# KiCad board M3DU_BoardV3_2.kicad_pcb (continued)
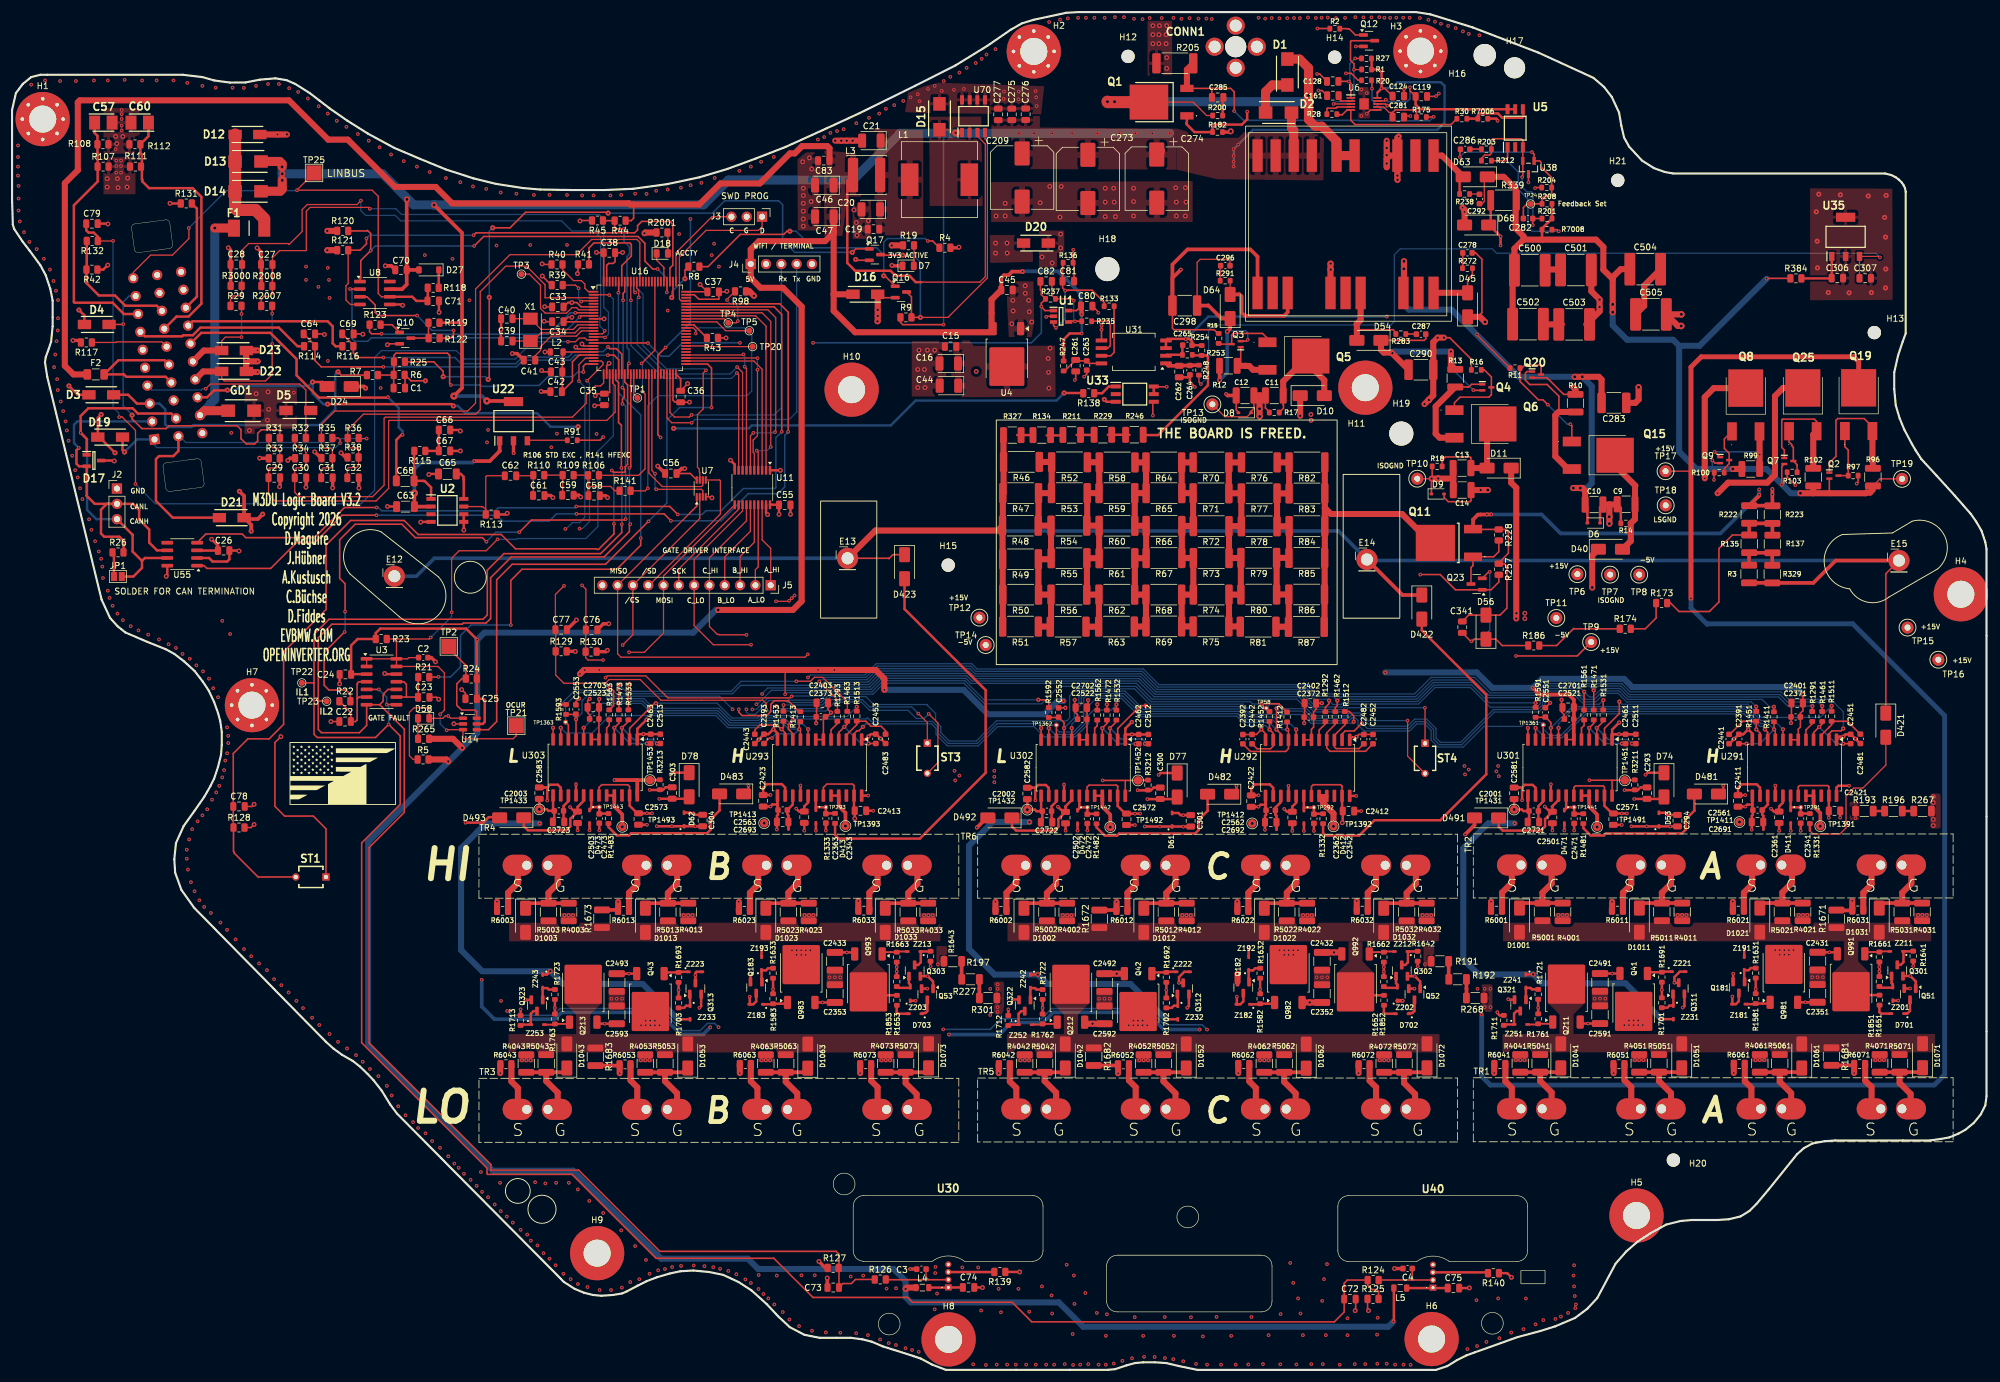
[diagram p0: board, top side]
## Nets (continued)
Net-(R70-Pad1): R70.1 R71.1 R72.1 R73.1 R74.1 R75.1 R76.2 R77.2 R78.2 R79.2 R80.2 R81.2
Net-(R76-Pad1): R76.1 R77.1 R78.1 R79.1 R80.1 R81.1 R82.2 R83.2 R84.2 R85.2 R86.2 R87.2
Net-(R134-Pad1): R134.1 R327.2
Net-(R134-Pad2): R134.2 R211.1
Net-(R135-Pad1): R135.1 R137.1 R173.2 R222.2 R223.2
Net-(R135-Pad2): R3.1 R135.2 R137.2 R329.1
Net-(R173-Pad1): R173.1 R174.2
Net-(R174-Pad1): R174.1 R186.2
Net-(R191-Pad2): R191.2 R192.1
Net-(R192-Pad2): R192.2 R268.1
Net-(R193-Pad2): R193.2 R196.1
Net-(R196-Pad2): R196.2 R267.1
Net-(R197-Pad2): R197.2 R227.1
Net-(R211-Pad2): R211.2 R229.2
Net-(R227-Pad2): R227.2 R301.1
Net-(R229-Pad1): R229.1 R246.2
Net-(R246-Pad1): R246.1 R253.2 R254.1
Net-(TR1-Source1): R6041.2 TR1.1
Net-(TR1-Source2): R6051.2 TR1.3
Net-(TR1-Source3): R6061.2 TR1.5
Net-(TR1-Source4): R6071.2 TR1.7
Net-(TR2-Source1): R6001.2 TR2.1
Net-(TR2-Source2): R6011.2 TR2.3
Net-(TR2-Source3): R6021.2 TR2.5
Net-(TR2-Source4): R6031.2 TR2.7
Net-(TR3-Source1): R6043.2 TR3.1
Net-(TR3-Source2): R6053.2 TR3.3
Net-(TR3-Source3): R6063.2 TR3.5
Net-(TR3-Source4): R6073.2 TR3.7
Net-(TR4-Source1): R6003.2 TR4.1
Net-(TR4-Source2): R6013.2 TR4.3
Net-(TR4-Source3): R6023.2 TR4.5
Net-(TR4-Source4): R6033.2 TR4.7
Net-(TR5-Source1): R6042.2 TR5.1
Net-(TR5-Source2): R6052.2 TR5.3
Net-(TR5-Source3): R6062.2 TR5.5
Net-(TR5-Source4): R6072.2 TR5.7
Net-(TR6-Source1): R6002.2 TR6.1
Net-(TR6-Source2): R6012.2 TR6.3
Net-(TR6-Source3): R6022.2 TR6.5
Net-(TR6-Source4): R6032.2 TR6.7
Net-(U1-+IN): C81.1 R133.1 R136.1 U1.3
Net-(U1--IN): C82.2 R235.1 R237.2 U1.4
Net-(U2-INPUT-(1)_1): C62.2 R113.2 U2.7
Net-(U2-INPUT-(1)_2): C65.2 U2.8
Net-(U2-OUTPUT(1)): C68.1 R115.2 U2.1
Net-(U2-SUPPLY_VOLTAGE): C63.2 U2.2 U22.1
Net-(U3A--): C22.1 R22.1 U3.4 U3.6
Net-(U3C-+): C23.1 R21.1 U3.9 U3.11
Net-(U5-ANODE_+): R212.1 R7008.2 U5.1
Net-(U5-GND): R30.2 R7006.1 U5.4
Net-(U5-V0): C119.1 U5.5 U5.6 U6.9
Net-(U6-COMP): R28.1 U6.4
Net-(U6-FB): R28.2 R30.1 U6.5
Net-(U6-GDRV): R20.2 U6.8
Net-(U6-ISNS): C281.1 R175.1 U6.7
Net-(U6-RC): C128.1 R27.2 U6.1
Net-(U6-SS): C161.1 U6.2
Net-(U8-~{WAKE}): R122.2 U8.3
Net-(U16-BOOT0): R41.2 U16.94
Net-(U16-NRST): C41.2 U16.14
Net-(U16-OSC_IN): C40.2 U16.12 X1.2
Net-(U16-OSC_OUT): C39.2 U16.13 X1.1
Net-(U16-PC5): R44.2 R45.1 U16.34
Net-(U16-PD10): TP20.1 U16.57
Net-(U22-IN): R91.1 U22.3
Net-(U30-OUT): C3.1 R126.2 U30.2
Net-(U30-TEST_): R139.2 U30.3
Net-(U30-VDD): C74.1 L4.2 U30.1
Net-(U31-IN): C265.1 R253.1 U31.2
Net-(U31-OUT+): R133.2 U31.7
Net-(U31-OUT-): R235.2 U31.6
Net-(U31-VDD1): C262.2 C264.1 R248.1 U31.1
Net-(U31-VDD2): C261.1 C263.2 R247.2 U31.8
Net-(U33-ANODE_+): R138.1 U33.1
Net-(U35-VI): C306.1 R384.2 U35.1
Net-(U38-CATHODE): C282.2 R201.1 R203.2 R212.2 U5.3 U38.2
Net-(U38-REF): C282.1 C286.1 R204.2 R208.1 TP24.1 U38.1
Net-(U40-OUT): C4.1 R124.2 U40.2
Net-(U40-TEST_): R140.2 U40.3
Net-(U40-VDD): C75.1 L5.2 U40.1
Net-(U70-OUTPUT): D15.1 L1.1 U70.2
Net-(U291-CK): R1291.1 U291.5
Net-(U291-GOFF): TP1391.1 U291.20 U291.21 Z191.2 Z201.1
Net-(U291-IN+): C2391.1 R1411.1 U291.9 U301.8
Net-(U291-IN-/DIAG2): C2551.1 R1591.1 U291.8 U301.9
Net-(U291-SDI): C2481.1 R1511.1 U291.3
Net-(U291-VREGISO): C2561.2 C2691.2 U291.15
Net-(U291-~{CS}): C2451.1 R1461.1 U291.4
Net-(U291-~{SD}): C2441.1 R1451.1 U291.11 U301.11
Net-(U292-CK): R1292.1 U292.5
Net-(U292-GOFF): TP1392.1 U292.20 U292.21 Z192.2 Z202.1
Net-(U292-IN+): C2392.1 R1412.1 U292.9 U302.8
Net-(U292-IN-/DIAG2): C2552.1 R1592.1 U292.8 U302.9
Net-(U292-SDI): C2482.1 R1512.1 U292.3
Net-(U292-VREGISO): C2562.2 C2692.2 U292.15
Net-(U292-~{CS}): C2452.1 R1462.1 U292.4
Net-(U292-~{SD}): C2442.1 R1452.1 U292.11 U302.11
Net-(U293-CK): R1293.1 U293.5
Net-(U293-GOFF): TP1393.1 U293.20 U293.21 Z193.2 Z203.1
Net-(U293-IN+): C2393.1 R1413.1 U293.9 U303.8
Net-(U293-IN-/DIAG2): C2553.1 R1593.1 U293.8 U303.9
Net-(U293-SDI): C2483.1 R1513.1 U293.3
Net-(U293-VREGISO): C2563.2 C2693.2 U293.15
Net-(U293-~{CS}): C2453.1 R1463.1 U293.4
Net-(U293-~{SD}): C2443.1 R1453.1 U293.11 U303.11
Net-(U301-CK): R1561.1 U301.5
Net-(U301-GOFF): TP1491.1 U301.20 U301.21 Z231.2 Z241.1
Net-(U301-SDI): C2511.1 R1531.1 U301.3
Net-(U301-SDO): R1511.2 U301.2
Net-(U301-VREGISO): C2001.2 C2721.2 U301.15
Net-(U301-~{CS}): C2461.1 R1471.1 U301.4
Net-(U302-CK): R1562.1 U302.5
Net-(U302-GOFF): TP1492.1 U302.20 U302.21 Z232.2 Z242.1
Net-(U302-SDI): C2512.1 R1532.1 U302.3
Net-(U302-SDO): R1512.2 U302.2
Net-(U302-VREGISO): C2002.2 C2722.2 U302.15
Net-(U302-~{CS}): C2462.1 R1472.1 U302.4
Net-(U303-CK): R1563.1 U303.5
Net-(U303-GOFF): TP1493.1 U303.20 U303.21 Z233.2 Z243.1
Net-(U303-SDI): C2513.1 R1533.1 U303.3
Net-(U303-SDO): R1513.2 U303.2
Net-(U303-VREGISO): C2003.2 C2723.2 U303.15
Net-(U303-~{CS}): C2463.1 R1473.1 U303.4

Pads without a net: CONN1 1 2 3 4; H4 1; H5 1; H6 1; H8 1; H9 1; H10 1; H11 1; J1 19 20 21 29 30; J4 2; J5 12; T1 2 11 14 17; U2 3; U5 2; U8 8; U16 5 37 38 39 40 45 46 55 56 58 59 60 61 62 73 81 82 84 85 86 87 92 96 97 98; U33 2; U55 5; U291 22; U292 22; U293 22; U301 22; U302 22; U303 22

## Via types
v1: diameter 0.8, hole 0.4, Top to Bottom, 240 vias
v2: diameter 0.6, hole 0.3, Top to Bottom, 963 vias
v3: diameter 0.7, hole 0.3, Top to Bottom, 230 vias
v4: diameter 0.85, hole 0.3, Top to Bottom, 51 vias
v5: diameter 1, hole 0.5, Top to Bottom, 42 vias
v6: diameter 1.1, hole 0.5, Top to Bottom, 2 vias
v7: diameter 1.2, hole 0.4, Top to Bottom, 4 vias
v8: diameter 0.8, hole 0.3, Top to Bottom, 2 vias

## Routing (per net, layer and track width the routed paths; a pad name or vN(x,y) marks a point on that pad's centre or on a via; arc(x,y) is an arc through that point)
+3.3VA: length 21.1
  Top w0.25: C42.2 92.98,164.15 92.98,167.37 94.08,168.47 94.26,168.47 94.28,168.5 U16.22 ; 91.31,162.47 C43.2 91.31,168.87 ; U16.21 L2.2
+3V3: length 601.9
  Top w0.2: v2(126.76,127.6) 128.86,127.6 128.93,127.67 v2(128.93,127.7) 128.96,127.7 129.36,128.1 v2(129.36,128.12) 129.38,128.12 v2(129.83,128.57) ; 128.43,116.21 128.27,116.04 v2(128.27,112.18) ; v2(234.42,109.93) 234.44,109.91 ST4.1 ; ST3.1 151.87,107.47 v2(150.37,108.97)
  Top w0.25: C2372.2 215.94,109.23 216.37,109.66 C2402.2 v3(217.32,110.69) ; U16.28 99.16,162.27 98.47,162.27 ; 92.23,177.2 91.53,176.5 ; 92.23,177.2 v1(92.88,177.2) ; 92.23,177.2 C33.2 ; 92.23,177.2 93.72,177.2 94.42,176.5 U16.6 ; C2522.2 178.35,104.64 ; 89.48,180.1 v1(87.98,181.6) ; 296.73,108.39 296.73,106.73 296.37,106.38 U291.6 U291.7 ; C2523.2 97.37,104.69 ; U303.7 U303.6 ; U16.100 C38.1 97.01,185.47 v1(96.96,185.52) ; v3(178.54,111.2) 178.54,110.12 ; U16.75 115.36,179 ; C2373.2 134.62,108.09 U293.6 U293.7 ; 215.95,108.37 215.95,106.71 215.6,106.35 215.6,104.6 214.33,104.6 ; v1(96.77,161.75) 97.09,162.07 C35.1 ; ST1.1 52.08,89.84 49.98,91.95 45.23,91.95 43.61,93.57 43.61,104.15 v1(44.61,105.15) ; R40.1 88.06,183.52 v1(87.96,183.62) ; C34.1 92.23,174.75 v1(92.88,174.75) ; U16.11 91.53,174 ; C2403.2 135.39,109.62 v3(135.89,109.13) 135.2,108.43 ; v3(97.41,111.38) 97.41,110.02 ; C37.1 v1(114.16,180.2) ; U301.7 259.11,104.65 ; C2703.2 97.4,108.1 ; v3(297.13,112.14) 297.14,112.13 C2401.2 297.14,109.43 296.71,109.01 C2371.2 ; C2702.2 178.37,108.05 ; v1(88.42,169) L2.1 ; C56.1 112.53,148.82 U7.8 ; v1(112.08,163.75) 112.08,163.7 C36.1 110.93,164.3 110.91,164.32 110.91,164.57 U16.50 ; v1(118.47,171.32) R43.1 ; U302.7 U302.6
  Top w0.4: v1(127.48,149.35) 127.47,149.36 U11.1 ; C55.1 v1(127.26,142.05) ; v1(33.1,137.9) 34.15,136.85 C26.1 30.74,136.03 ; v1(26.21,193.67) 26.23,193.65 R131.1 ; U11.20 127.22,143.63
  Top w0.6: v1(111.6,149.64) 111.07,149.64 C56.1 ; C2521.2 259.12,104.66 ; 259.14,108.07 C2701.2 259.14,111.27 258.3,112.11 253.45,112.11 v3(252.33,113.23)
  Top w1: R2001.1 105.06,188.82 v1(104.93,188.7) ; v3(94.24,115.54) 94.9,116.21 95,116.21 v2(95.01,116.2) 95.02,116.21 v3(136.42,116.21) 143.28,116.21 144.73,114.76 v3(144.73,112.9) ; R121.1 52.33,185.9 v1(52.31,185.87) ; R98.1 122.35,179.06 v1(123.1,178.31) ; R120.1 v1(52.31,189.1) ; v1(145.96,186.67) 145.98,186.7 R19.1
  In1.Cu w0.2: v2(126.77,110.21) 126.77,127.58 v2(126.76,127.6)
  In2.Cu w0.6: v3(135.89,109.13) 136.42,109.66 v3(136.42,116.21) ; v3(97.41,111.38) v3(97.41,116.21)
  In2.Cu w1: v3(178.54,111.2) 178.56,111.23 178.56,114.27 ; 217.32,113.59 218.04,114.3 226.34,114.3 v3(227.84,115.8) ; 217.32,113.59 v3(217.32,110.69) ; 217.32,113.59 216.61,114.3 175.54,114.3 174.47,113.23 v3(174.47,111.05)
  Bottom w0.2: v2(150.37,108.97) 149.27,110.06 142.29,110.06 141.07,111.29 135.88,111.29 134.38,109.79 127.2,109.79 v2(126.77,110.21) ; v2(128.27,112.18) 128.45,112.35 128.45,112.43 134.1,112.43 135.06,113.38 142.34,113.38 144.18,115.22 158.43,115.22 159.28,114.37 186.86,114.37 189.47,111.77 213.49,111.77 216.02,109.24 221,109.24 221.69,109.93 v2(234.42,109.93)
  Bottom w1: v3(136.42,116.21) v3(133.73,116.21) v3(97.41,116.21) 94.9,116.21 v3(94.24,115.54) ; v3(227.84,115.8) 243.03,115.8 245.59,113.23 v3(252.33,113.23) 253.82,114.73 267.46,114.73 268.82,113.36 295.93,113.36 297.13,112.16 ; v3(174.47,111.05) 173.48,111.05 171.3,108.86 161.93,108.86 157.89,112.9 v3(144.73,112.9)
  vias: v1(15.78,197.77) v1(15.78,196.37) v1(17.48,197.77) v1(17.58,196.27) v1(19.08,196.37) v1(19.18,197.87) v1(170.88,184.77) v1(171.9,167.91) v1(171.98,165.61) v1(172.03,162.99) v1(172.23,169.64) v1(172.58,183.77) v1(173.98,188.57) v1(173.98,186.27) v2(17.28,200.77) v2(17.28,199.87) v2(17.28,198.77) v2(18.08,200.77) v2(18.08,199.87) v2(18.08,198.77)
+5V: length 811.3
  Top w0.2: 150.85,180.59 160.58,180.59 161.49,181.5 161.49,203.5 160.16,204.83
  Top w0.25: 177.36,176.62 176.61,175.87 U1.5 ; 103.13,193.47 103.13,191.2 102.73,190.8 101.81,190.8
  Top w0.4: C24.1 56.26,120.27 57.33,121.35 R23.2 60.34,122.33 61.08,123.07 75.33,123.07 v2(77.18,121.22) 77.13,121.17 C25.1 78.18,111.42 78.43,111.17 78.43,107.57 78.11,107.25 U14.5 ; 150.85,180.59 149.95,180.59 148.9,181.64 146.6,181.64 145.77,182.47 139.88,182.47 138.58,183.77 138.58,197.42 L3.2 ; v2(177.48,172.07) 175.48,172.07 174.48,171.07 R247.1 ; v2(229.18,8.02) 229.27,8.11 L5.1 ; U3.3 56.3,115.52
  Top w0.6: C45.1 164.13,181.31 164.55,181.74 165.33,181.74 165.93,182.34 v8(167.65,182.34) ; v8(177.48,175.27) 177.48,176.5
  Top w1: v5(117.16,126.17) 129.56,126.17 131.01,127.62 131.01,176.54 127.9,179.65 124.18,179.65 122.56,181.27 J4.1 122.56,186.03 123.93,187.4 134.91,187.4 136.38,188.87 136.32,188.93 C47.1 136.32,178.57 ; L4.1 148.48,13.67 v1(148.26,13.45) ; v1(72.38,101.02) 72.06,101.35 R5.1 ; 136.32,178.57 D16.1 ; 136.32,178.57 136.32,175.83 139.88,172.27 162.18,172.27 162.52,172.61 162.52,177.68 C45.1 ; C83.1 135.63,202.82 135.28,203.17 131.09,203.17 129.88,201.96 129.07,201.96 124.08,196.97 117.53,196.97 114.03,193.47 102.56,193.47 102.36,193.67 73.01,193.67 70.28,196.39 63.55,196.39 55.7,204.25 52.46,204.25 45.93,210.77 11.26,210.77 10.91,210.42 10.91,199.17 8.76,197.02 8.76,166.7 10.18,165.27 F2.2 ; R265.2 73.18,104.77 v1(74.68,103.27)
  Bottom w0.4: v2(177.48,172.07) v8(177.48,175.27)
  Bottom w0.6: v8(167.65,182.34) 167.7,182.39 173.57,182.39 177.28,178.67 177.28,175.47 v8(177.48,175.27)
  Bottom w1: v2(229.18,8.02) 228.33,7.17 177.73,7.17 173.68,11.22 149.13,11.22 148.26,12.1 v1(148.26,13.45) 148.26,14.77 146.27,16.76 123.79,16.76 122.08,18.47 107.71,18.47 93.11,33.07 79.76,33.07 59.08,53.75 59.08,87.65 77.18,105.75 v2(77.18,121.22) 78.36,122.4 113.01,122.4 116.78,126.17 v5(117.16,126.17)
+5VP: length 142.3
  Top w0.2: v2(309.93,184.69) 309.75,184.86 U35.3 C307.1 ; R248.2 196.93,163.98 v2(197.25,163.66)
  Bottom w0.2: v2(197.25,163.66) 198.53,164.94 198.53,172.66 199.33,173.46 228.75,173.46 229.35,174.06 229.35,185.14 230.33,186.11 245.6,186.11 246.33,185.39 309.23,185.39 v2(309.93,184.69)
+12V: length 350.2
  Top w0.25: C124.1 227.78,212.75 227.23,212.75 ; v2(154.55,173.54) 147.78,173.54 147.4,173.91 R9.1 ; U6.10 226.53,212.05
  Top w0.4: 225.58,217.7 R1.2 226.76,215.9 227.23,215.42 v2(227.23,212.77) 227.23,212.75 226.53,212.05 ; R119.1 74.66,173.85
  Top w0.6: v7(73.31,161.67) 74.66,163.02 74.66,188.77 v5(70.03,193.4) ; v5(65.53,194.32) 65.48,194.27 C70.1 ; U8.7 64.71,179.42 65.48,180.2 C70.1 ; D27.2 C70.1 ; v7(78.78,160.86) 83.1,160.86 ; v7(156.55,205.36) 156.62,205.42 U70.1
  Top w1.5: 190.56,202.4 C274.1 ; v5(44.83,197.5) 44.83,196.02 44.48,195.67 D14.1 ; D13.1 44.41,200.62 44.81,200.22 v5(44.81,199.72) ; D2.2 212.28,206.16 212.66,205.78 T1.7
  Bottom w0.25: 155.38,205.3 154.55,204.47 v2(154.55,173.54)
  Bottom w0.4: v2(202.68,199.77) v2(202.68,200.57) v2(202.68,201.57) v2(202.68,202.67) v2(203.43,203.42) 205.88,205.87 236.48,205.87 237.68,207.07 237.68,213.17 237.08,213.77 229.88,213.77 228.88,212.77 v2(227.23,212.77)
  Bottom w0.6: v7(78.78,160.86) 77.97,161.67 v7(73.31,161.67)
  Bottom w1.5: v2(192.08,205.3) v2(189.18,205.3) v2(186.38,205.3) v2(183.68,205.3) v2(180.08,205.3) v2(175.88,205.3) v2(172.58,205.3) v2(169.58,205.3) v2(167.08,205.3) 147.31,205.3 139.56,197.55 118.86,197.55 114.73,193.42 70.06,193.42 v5(70.03,193.4) 70.01,193.42 66.63,193.42 61.48,198.57 v5(44.83,198.57) ; v5(44.83,198.57) 44.81,198.6 v5(44.81,199.72) ; v5(44.83,198.57) v5(44.83,197.5)
+15VH: length 111.7
  Top w0.25: U33.6 189.49,163.21 v2(191.58,163.21) ; C341.1 242.03,120.96 242.25,120.96 242.6,121.31 D56.1 246.2,121.31 247.25,120.26 R186.1 ; v2(245.18,132.5) 245.02,132.5 Q23.2
  Top w0.4: U33.6 U33.5
  In2.Cu w0.25: v2(191.58,163.21) 191.58,152 192.06,151.52 227.13,151.52 230.58,148.07 230.58,134.27 231.58,133.27 244.41,133.27 v2(245.18,132.5)
  Bottom w0.25: v2(242.15,120.96) 242.48,121.29 243.68,121.29 245.18,122.79 v2(245.18,132.5)
/GND_ISO_A: length 59.6
  Top w0.4: 263.96,143.67 263.48,143.2 D6.1 ; C9.1 266.93,143.12 R14.2 ; 288.75,93.85 288.75,93.5 ; 288.75,93.85 288.75,95.22 ; 288.75,93.85 287.91,93.85 v2(287.58,93.52) 286.39,93.52 ; C2361.2 v2(293.19,89.51) ; U291.16 v2(292.56,97) ; D481.1 283.92,96.39 v2(283.92,97) ; v2(288.65,89.69) 288.66,89.7 C2691.1 288.66,92.01 288.84,92.19 C2561.1 ; U291.13 288.75,93.03 ; v2(303.33,91.69) 303.34,91.7 C2421.2 ; U291.24 302.72,96.67 303.02,96.98 v2(304.8,96.98) ; D411.2 v2(295.12,89.51) ; C2341.2 v2(296.78,89.51)
  Top w0.6: R6031.1 302.78,76.28 ; v2(285.5,77.75) 285.52,77.72
  Top w1: 265.03,143.67 266.28,143.67 ; 265.03,143.67 263.96,143.67 ; 265.03,143.67 265.03,141.67 v5(265.01,141.65) 265.03,141.62 v5(265.03,140.5) ; v2(305.33,77.88) 305.33,76.28 ; v2(265.48,77.72) 265.48,76.27 ; 285.52,77.72 R6021.1 ; v2(245.39,77.75) 245.39,76.25
  In2.Cu w0.2: v5(265.03,140.5) 265.2,140.32 265.2,132.08
  In2.Cu w0.4: v2(292.56,97) v2(283.92,97)
  vias: v2(298.68,65.2) v2(299.57,65.2) v2(300.46,65.2) v5(286.62,90.96)
/GND_ISO_B: length 55.4
  Top w0.2: TP13.1 201.22,158.24 204.93,158.24 D8.1
  Top w0.25: D8.1 205.58,159.15 206.08,159.65 206.08,159.8 206.06,159.82 C12.2 ; 208.61,159.05 207.96,159.7 C11.1
  Top w0.4: 124.64,93.55 v2(125.83,93.55) 126.16,93.88 127,93.88 ; 127,95.25 127,93.88 ; 127,93.88 127,93.52 ; C2343.2 v2(135.03,89.53) ; v2(122.18,97.03) 122.18,96.42 D483.1 ; U293.13 127,93.05 ; C2563.1 127.09,92.21 126.92,92.04 C2693.1 126.92,89.73 v2(126.9,89.71) ; v2(142.04,95.35) 140.97,95.35 ; C2363.2 v2(131.45,89.53) ; v2(142.88,92.84) C2413.2 ; U293.16 v2(130.81,97.03) ; D413.2 v2(133.38,89.53)
  Top w0.6: v2(120.58,77.72) 120.6,77.7 ; R1673.2 100.39,76.37
  Top w1: v2(140.41,77.85) 140.41,76.25 ; 206.98,161.77 v5(206.98,159.57) 206.98,158.32 v5(207.01,158.3) ; 206.98,161.77 C12.2 ; 206.98,161.77 C11.1 ; v2(80.47,77.72) 80.47,76.23 ; 120.6,77.7 R6023.1 ; v2(100.56,77.7) 100.56,76.25
  In2.Cu w0.4: v2(130.81,97.03) v2(122.18,97.03)
  vias: v2(135.64,65.18) v2(136.53,65.18) v2(137.42,65.18) v2(156.38,99.47) v2(156.48,97.87) v2(157.18,98.67) v2(162.98,99.47) v2(162.98,98.47) v2(162.98,97.57) v5(124.79,90.78)
/GND_ISO_C: length 50.9
  Top w0.2: TP10.1 235.52,147.95
  Top w0.25: R18.2 235.63,148.07 v1(235.53,147.97) 235.51,147.95 D9.1
  Top w0.4: v2(207.88,89.66) 207.89,89.68 C2692.1 207.89,91.99 208.07,92.16 C2562.1 ; C2362.2 v2(212.42,89.48) ; U292.13 207.98,93 ; D482.1 203.15,96.37 v2(203.15,96.98) ; 207.98,93.83 207.14,93.83 v2(206.81,93.5) 205.61,93.5 ; 207.98,93.83 207.98,93.47 ; 207.98,93.83 207.98,95.2 ; C2342.2 v2(216,89.48) ; U292.16 v2(211.79,96.98) ; D412.2 v2(214.35,89.48) ; v2(223.01,95.3) 221.95,95.3 ; v2(223.85,92.79) C2412.2
  Top w0.6: R1672.2 183.12,76.35 ; v2(203.28,77.72) 203.31,77.7
  Top w1: v2(163.17,77.72) 163.17,76.23 ; 203.31,77.7 R6022.1 ; 239.13,147.97 236.66,147.97 v1(236.63,148) 236.61,147.97 v1(235.53,147.97) ; 239.13,147.97 239.13,149.7 ; 239.13,147.97 C14.2 ; v2(183.26,77.7) 183.26,76.25 ; v2(223.12,77.85) 223.12,76.25
  In2.Cu w0.4: v2(211.79,96.98) v2(203.15,96.98)
  vias: v2(216.46,65.18) v2(217.35,65.18) v2(218.24,65.18) v2(240.98,100.27) v2(241.08,98.87) v2(241.68,99.67) v2(246.28,99.37) v2(246.58,100.27) v2(246.68,98.57) v5(205.77,90.73)
GND: length 348.6
  Top w0.25: Q10.2 62.43,170.35 v1(62.28,170.2) ; v1(116.13,144.79) 115.97,144.95 U7.4 ; C263.1 178.31,165.32 v2(177.88,164.9) ; 207.98,104.6 207.98,105.64 v3(207.29,106.32) 206.47,105.5 C2442.2 ; v3(295.16,107.4) C2371.1 ; U16.74 113.21,178.5 113.96,177.75 117.23,177.75 117.28,177.8 C37.2 118.51,178.97 v1(118.61,179.07) ; v1(81.1,172.72) 81.14,172.76 ; R41.1 93.89,182.08 v1(93.81,182) ; v2(230.96,212.62) C124.2 ; v1(51.83,171.9) 51.73,172 C64.2 ; 65.2,165.19 66.18,164.21 v4(68.58,164.21) ; U302.12 v3(170.74,106.55) ; v2(180.23,175.5) 180.23,175.65 C80.2 ; C2521.1 257.57,108.75 257.1,109.22 v3(257.1,111.26) ; C22.2 v1(52.91,107.65) ; R125.1 224.91,10 v1(225.06,9.85) ; C43.1 88.08,165.7 v1(87.86,165.92) ; v1(99.06,167.12) 98.66,166.72 U16.27 ; 89.61,174.02 88.36,174.02 v1(88.28,174.1) ; v1(40.16,93.9) 39.81,93.55 C78.2 ; v3(174.75,109.93) 173.65,109.93 ; v4(139.98,184.36) 140.13,184.21 Q17.2 ; C2452.2 223.46,105.5 v3(223.06,105.11) 222.45,105.11 221.95,104.6 ; C2551.2 255.2,110.73 v3(255.2,110.74) ; C2553.2 93.55,110.95 v3(94.06,111.46) ; v1(112.41,160.67) 112.38,160.65 C36.2 110.01,160.65 109.66,161 U16.49 ; v1(58.21,171.95) 58.16,172 C69.2 ; U16.19 94.88,170 v1(94.56,170.32) ; v2(180.78,173.35) 180.76,173.33 180.76,172.7 v2(180.76,172.7) 180.76,172.69 U31.5 ; v2(236.73,211.9) 236.31,211.47 v2(236.28,211.47) 236.28,211.45 236.26,211.42 C119.2 ; C2401.1 295.24,108.49 ; C23.2 70.46,111.67 v1(70.78,111.35) ; C1.2 65.2,165.12 ; v3(95.84,111.4) 95.5,111.06 95.5,109.1 95.82,108.77 C2523.1 ; C35.2 96.77,160.17 v1(96.66,160.06) ; C2402.1 214.47,108.46 ; U16.99 98.66,183.37 98.98,183.7 99.76,183.7 100.06,184 C38.2 101.26,185.47 v1(101.31,185.52) ; U6.6 225.38,209.17 v2(224.78,208.57) ; C128.2 216.96,215.15 v2(216.53,215.15) ; v3(176.33,111.24) 176.33,109.19 176.8,108.72 C2522.1 ; v3(133.41,107.37) C2373.1 ; U301.12 v3(251.51,106.58) ; U303.12 v3(89.77,106.6) ; C2392.2 205.73,105.49 ; v2(222.96,219.72) Q12.2 ; C161.2 217.36,212.4 v2(216.76,212.4) ; v1(40.16,90.55) 39.66,90.05 R128.2 ; U1.2 171.68,174.92 v2(171.58,174.82) ; R45.2 94.31,190.82 v1(94.23,190.75) ; C72.2 222.93,9.92 v1(222.86,9.85) ; v1(73.31,107.27) 73.33,107.25 U14.2 ; 89.61,176.47 88.43,176.47 v1(88.38,176.52) ; v1(98.23,174.5) 98.21,174.47 97.93,174.47 97.91,174.5 U16.10 ; C25.2 75.23,112.32 v1(74.61,112.95) ; v2(232.01,208.17) 231.01,208.17 ; C81.2 176.21,183.67 ; v2(176.08,185.97) 176.08,185.22 176.06,185.2 R136.2 ; C2403.1 133.49,108.51 ; v3(214.39,107.38) C2372.1 ; v2(176.33,164.35) 176.48,164.5 C261.2 ; v1(93.53,169.8) 93.83,169.5 U16.20 ; Q16.2 144.19,178.01
  Top w0.4: C66.2 74.21,156.05 v1(74.38,155.87) ; 81.14,172.76 C40.1 ; 184.71,105.5 C2462.2 C2512.2 ; v1(62.28,143.35) 63.78,143.35 ; U293.1 141.58,104.65 v3(142.09,105.15) 142.48,105.55 C2453.2 ; U301.1 265.48,106.3 v3(266.65,107.47) ; v1(25.58,131.75) 25.75,131.93 U55.8 ; v1(16.96,150.9) 16.88,150.97 D17.3 ; v1(69.16,148.65) 69.26,148.75 70.76,148.75 ; C2483.2 143.39,105.55 ; D3.2 10.9,161.89 v4(9.43,163.36) ; 14.23,154.86 14.23,158.06 v4(14.78,158.61) ; 269.31,105.52 C2461.2 265.48,105.52 ; C24.2 v1(54.36,113.9) ; v1(64.81,176.75) 64.67,176.88 U8.5 ; v1(81.1,172.72) 81.1,170.86 ; C55.2 v1(129.16,142.05) ; 240.11,13.6 241.78,13.6 v1(241.81,13.62) ; U2.4 67.85,140.79 v1(67.81,140.75) ; U291.1 303.23,105.13 v3(303.84,105.13) 304.23,105.52 C2451.2 ; U291.12 288.75,105.66 v3(288.06,106.35) 287.24,105.52 C2391.2 284.99,104 ; v1(61.83,115.62) 61.94,115.52 U3.12 ; R140.1 248.08,16.07 v1(248.78,15.37) ; v1(161.01,13.67) 160.98,13.7 C74.2 ; 123.24,104.02 C2393.2 125.49,105.55 v3(126.32,106.37) 127,105.69 U293.12 ; v1(125.36,142) 125.11,142.25 U11.19 ; R113.1 81.96,142.02 v1(82.16,142.22) ; 164.81,16.27 v1(167.18,16.27) ; U33.3 181.61,160.73 v4(181.23,161.11) ; R42.1 15.13,182.67 v1(15.88,183.42) ; U302.1 184.71,106.48 v3(185.8,107.57) ; v1(15.91,190.25) 15.86,190.3 C79.2 ; U2.6 U2.5 74.94,139.43 v1(74.96,139.42) ; v4(11.1,175.96) 12,175.06 D4.2 ; v1(37.65,135.95) 37.58,136.03 C26.2 36.05,134.58 35.68,134.2 33.28,134.2 32.69,134.79 U55.2 ; C67.2 v1(74.38,152.57) ; C2513.2 C2463.2 104.79,105.55 v3(104.78,105.56) 104.76,105.55 103.74,105.55 U303.1 103.74,106.43 v3(105.28,107.98) ; 14.48,154.86 v4(17.08,152.26) ; v1(70.86,175.57) 70.83,175.6 C71.2 ; 119.91,149.36 119.91,150.32 v1(119.21,151.02) ; v2(246.48,207.37) 246.48,207.52 246.28,207.72 R7006.2 ; 306.62,104 305.12,105.5
  Top w0.55: v1(98.78,119.47) 98.56,119.25 R130.2 ; C31.2 53.19,146.43 v1(53.18,146.42) ; 108.36,148.82 v1(107.13,150.05) ; v1(35.88,186.3) 36.26,185.92 C28.2 ; R33.1 41.11,151.35 v1(41.08,151.37) ; C76.2 98.11,123.87 v1(99.01,123.87) ; R38.1 55.33,151.5 v1(54.58,152.25) ; R129.2 93.43,119.3 v1(93.46,119.27) ; U22.2 83.2,152.21 v2(83.23,152.19) ; 92.06,122.9 93.63,124.47 v1(93.63,124.5) ; 51.25,151.38 v1(50.21,152.42) ; C32.2 57.53,146.42 v1(57.56,146.4) ; v1(70.25,117.56) 69.55,118.26 C2.2 ; R117.2 11.08,170.91 v1(10.1,170.91) ; v1(44.38,146.62) 44.46,146.7 C29.2 ; v1(87.78,162.45) 87.83,162.4 C42.1 ; C41.1 83.81,168.73 v1(83.01,168.73) ; C30.2 48.81,146.6 v1(48.76,146.55) ; R34.1 46.12,151.36 v1(45.76,151) ; 45.61,205.1 v1(45.63,205.12) ; C59.2 94.03,145.22 v1(94.33,144.92) ; v2(149,16.76) 150.08,16.76 ; v1(40.66,186.27) 41.31,185.62 C27.2 ; C4.2 v1(229.38,16.84) ; v1(89.73,144.82) 89.38,145.17 C61.2 ; v1(135.25,15.26) 135.25,13.74 ; C58.2 98.48,145.15 v1(98.81,144.82) ; D7.1 146.06,183.3 v1(145.98,183.37) ; R2008.1 41.36,183.47 ; v1(157.11,186.4) 157.01,186.3 R4.2 ; R3000.1 36.27,183.51 ; R182.2 202.08,205.5 v5(202.21,205.62) ; v1(133.88,18.01) 134.95,16.94 R127.1
  Top w0.6: v1(61.93,183.3) 62.91,183.3 C70.2 ; v4(41.58,142.06) 40.78,141.26 38.73,141.26 ; v4(37.73,145.86) 38.5,145.09 D21.2 39.68,140.31 v4(39.68,139.26) ; D24.1 58.38,163.26 v4(58.65,162.99)
  Top w1: v1(136.58,204.07) v1(137.58,204.07) v1(138.48,204.07) v1(139.48,204.07) C21.2 ; v4(38.83,167.79) 38.83,165.81 ; v4(38.83,167.79) 39.18,167.44 v4(40.75,167.44) ; v4(38.83,167.79) 38.83,169.19 ; v4(40.73,165.66) 38.98,165.66 ; v4(40.73,169.26) 38.9,169.26 ; 45.61,205.1 v2(44.03,205.1) 41.11,205.1 ; D16.2 v1(143.63,175.97) v1(143.63,174.97) 143.63,174.12 v1(143.58,174.07)
  vias: v1(17.18,204.77) v1(17.38,203.57) v1(18.38,204.77) v1(39.38,155.97) v1(40.48,162.07) v1(42.38,157.67) v1(42.48,162.37) v1(42.58,159.47) v1(131.18,200.57) v1(131.28,196.17) v1(131.28,194.97) v1(131.28,193.67) v1(131.28,192.37) v1(131.28,191.07) v1(131.28,189.87) v1(132.3,201.21) v1(132.58,193.97) v1(132.68,199.37) v1(139.68,192.57) v1(140.08,190.47) v1(140.18,188.37) v1(142.08,190.77) v1(150.28,166.09) v1(150.28,163.09) v1(150.48,169.29) v1(151.38,166.09) v1(151.48,163.09) v1(151.88,169.29) v1(153.08,169.29) v1(159.98,165.76) v1(163.18,187.07) v1(163.18,185.41) v1(163.28,191.57) v1(164.78,193.67) v1(164.78,191.57) v1(165.08,187.07) v1(165.1,185.41) v1(165.88,173.67) v1(166.05,177.56) v1(166.1,175.81) v1(168.1,179.99) v1(168.1,178.74) v1(168.68,177.57) v1(168.78,175.67) v1(169.18,173.97) v1(170.58,193.77) v1(172.18,196.47) v1(173.88,191.37) v1(174.08,196.47) v1(181.38,196.17) v1(181.38,193.87) v1(181.38,191.47) v1(182.78,196.17) v1(182.88,193.87) v1(183.08,191.47) v1(186.08,196.17) v1(186.08,193.97) v1(186.08,191.57) v1(189.28,223.17) v1(189.28,221.67) v1(189.28,220.17) v1(190.28,221.67) v1(190.28,220.17) v1(190.38,223.17) v1(191.48,221.67) v1(191.48,220.17) v1(191.58,223.17) v1(191.58,217.87) v1(191.58,216.07) v1(193.08,196.27) v1(193.18,193.87) v1(193.18,191.57) v1(194.68,196.27) v1(194.68,191.57) v1(194.78,193.87) v2(0.98,203.27) v2(0.98,201.37) v2(0.98,199.77) v2(0.98,198.27) v2(1.08,196.57) v2(1.08,194.47) v2(1.08,192.47) v2(1.28,190.67) v2(1.98,188.87) v2(2.88,187.27) v2(3.18,213.37) v2(4.08,186.07) v2(5.28,184.47) v2(5.48,214.07) v2(6.28,182.67) v2(6.88,180.77) v2(6.98,166.47) v2(7.18,168.57) v2(7.28,179.17) v2(7.38,170.77) v2(7.48,164.47) v2(7.63,177.61) v2(7.63,174.59) v2(7.58,172.57) v2(7.58,162.67) v2(7.98,213.97) v2(8.08,160.77) v2(8.48,159.17) v2(8.88,157.47) v2(9.08,155.97) v2(9.38,154.27) v2(9.98,151.77) v2(10.48,149.37) v2(10.58,213.97) v2(10.88,148.17) v2(11.28,146.37) v2(11.68,144.57) v2(12.78,141.21) v2(13.18,139.47) v2(13.58,214.07) v2(13.78,137.57) v2(14.38,135.87) v2(14.78,134.67) v2(14.98,133.37) v2(15.08,131.47) v2(15.88,214.07) v2(15.88,129.37) v2(16.18,128.17) v2(16.68,126.87) v2(17.18,202.67) v2(17.48,125.57) v2(18.18,209.17) v2(18.18,208.47) v2(18.18,207.67) v2(18.18,206.57) v2(18.18,205.77) v2(18.38,124.47) v2(18.68,214.17) v2(19.68,123.47) v2(20.98,122.77) v2(21.58,214.07) v2(22.58,122.07) v2(23.98,214.07) v2(24.38,121.27) v2(25.98,120.47) v2(26.78,214.07) v2(27.18,119.87) v2(28.28,118.87) v2(28.98,86.37) v2(28.98,84.87) v2(29.08,213.67) v2(29.18,83.07) v2(29.38,88.07) v2(29.48,118.07) v2(29.68,80.97) v2(29.88,89.77) v2(30.28,79.47) v2(30.58,116.97) v2(30.78,91.07) v2(31.08,77.97) v2(31.58,213.17) v2(31.58,92.07) v2(31.68,115.97) v2(31.88,76.87) v2(32.38,93.07) v2(32.68,114.77) v2(32.98,75.87) v2(33.18,94.67) v2(33.38,113.17) v2(33.78,212.87) v2(33.88,95.87) v2(34.18,111.67) v2(34.38,96.97) v2(34.58,74.27) v2(34.88,124.37) v2(34.88,98.37) v2(35.18,99.57) v2(35.38,101.17) v2(35.68,106.67) v2(35.68,102.37) v2(35.68,73.07) v2(35.88,105.27) v2(35.88,104.07) v2(36.18,122.17) v2(36.38,155.57) v2(36.58,212.87) v2(37.08,71.47) v2(38.45,212.84) v2(38.48,69.87) v2(39.68,68.67) v2(40.48,213.17) v2(40.98,67.47) v2(42.28,66.37) v2(42.48,213.47) v2(43.48,64.87) v2(44.28,213.47) v2(44.68,63.87) v2(45.88,62.67) v2(45.98,212.79) v2(46.75,162.24) v2(47.18,61.27) v2(47.48,212.17) v2(48.28,60.07) v2(48.78,183.17) v2(48.78,180.97) v2(49.08,211.07) v2(49.78,58.47) v2(50.83,179.81) v2(50.88,209.77) v2(50.98,57.27) v2(52.38,208.57) v2(52.38,182.97) v2(52.4,167.51) v2(52.58,180.97) v2(52.68,177.97) v2(52.68,55.77) v2(53.88,207.37) v2(54.08,54.47) v2(55.48,206.37) v2(55.58,53.37) v2(57.08,52.27) v2(57.38,205.17) v2(58.18,51.17) v2(59.18,204.07) v2(59.38,49.97) v2(60.78,48.77) v2(60.98,202.97) v2(61.15,163.01) v2(62.18,47.17) v2(62.88,201.77) v2(62.98,45.57) v2(64.08,43.77) v2(64.98,200.67) v2(65.28,42.27) v2(66.53,41.14) v2(67.18,199.77) v2(67.38,40.17) v2(68.48,185.07) v2(68.6,39.29) v2(69.28,198.87) v2(69.7,37.99) v2(71,36.89) v2(71.98,197.87) v2(72.38,35.47) v2(73.08,184.47) v2(73.38,34.26) v2(74.1,33.56) v2(74.38,197.17) v2(74.98,32.57) v2(75.88,177.57) v2(76.08,31.57) v2(76.48,196.47) v2(77.08,30.57) v2(77.78,32.87) v2(77.98,29.57) v2(78.68,196.07) v2(78.8,153.99) v2(78.98,156.07) v2(78.98,28.67) v2(80.08,27.47) v2(80.38,186.67) v2(80.98,31.07) v2(81.08,195.47) v2(81.08,26.37) v2(82.08,25.47) v2(83.08,24.47) v2(83.68,195.27) v2(84.38,23.27) v2(85.48,22.47) v2(85.98,186.77) v2(86.08,21.47) v2(86.58,195.07) v2(86.78,31.17) v2(87.18,20.67) v2(88.18,19.37) v2(88.48,30.97) v2(89.18,195.07) v2(89.18,18.47) v2(89.48,153.17) v2(90.18,17.37) v2(90.28,31.07) v2(90.4,155.44) v2(91.48,15.97) v2(92.08,195.07) v2(92.08,186.77) v2(92.38,31.07) v2(92.68,15.07) v2(93.88,29.97) v2(93.88,14.27) v2(94.58,194.97) v2(95.48,13.77) v2(95.78,28.07) v2(96.48,194.97) v2(96.98,155.39) v2(97.48,13.27) v2(98.08,26.07) v2(99.28,194.97) v2(99.38,13.27) v2(101.08,195.07) v2(101.08,23.17) v2(101.18,13.67) v2(102.58,14.59) v2(103.38,195.27) v2(103.38,20.57) v2(104.08,15.07) v2(105.18,18.27) v2(105.28,195.24) v2(105.78,15.97) v2(106.88,195.77) v2(107.2,16.54) v2(108.33,16.76) v2(108.78,195.97) v2(108.78,175.87) v2(109.53,17.09) v2(110.68,188.57) v2(110.98,196.27) v2(111,17.29) v2(112.58,196.67) v2(113.1,17.34) v2(114.38,197.07) v2(114.88,17.24) v2(116.08,185.07) v2(116.35,17.06) v2(116.48,186.97) v2(116.58,197.87) v2(117.28,183.17) v2(117.48,16.79) v2(118.85,16.44) v2(120.18,15.89) v2(120.68,199.07) v2(121.68,15.04) v2(122.58,199.77) v2(122.58,14.44) v2(123.88,15.76) v2(123.85,13.44) v2(124.28,200.57) v2(124.68,12.61) v2(125.48,11.87) v2(126.38,201.37) v2(126.48,10.87) v2(126.88,15.66) v2(127.88,9.61) v2(128.98,8.37) v2(130.58,7.27) v2(130.98,15.71) v2(132.73,6.51) v2(133.18,15.71) v2(133.7,204.26) v2(134.75,204.66) v2(135.03,6.24) v2(135.78,205.37) v2(136.88,205.67) v2(137.43,6.19) v2(137.98,205.97) v2(139.15,15.51) v2(140.05,6.09) v2(140.08,206.97) v2(141.23,15.66) v2(142,5.79) v2(142.18,207.87) v2(143.88,208.57) v2(144.03,5.06) v2(144.98,209.37) v2(145.1,13.51) v2(145.45,4.46) v2(146.38,209.97) v2(146.65,4.14) v2(146.68,13.56) v2(147.88,210.67) v2(148.25,3.61) v2(149.08,211.27) v2(149.33,3.31) v2(150.28,211.77) v2(150.43,3.01) v2(150.58,210.61) v2(151.98,212.67) v2(153.08,213.17) v2(153.08,10.07) v2(153.23,17.11) v2(153.18,16.09) v2(153.48,12.69) v2(154.25,212.34) v2(154.58,213.97) v2(155.68,214.67) v2(156.28,212.51) v2(157.18,215.37) v2(157.68,17.01) v2(157.93,212.66) v2(158.38,216.17) v2(159.48,0.94) v2(159.88,216.97) v2(160.3,17.01) v2(160.78,9.87) v2(160.88,217.67) v2(161.58,0.84) v2(161.68,218.37) v2(163.18,219.27) v2(163.38,0.89) v2(163.68,13.47) v2(164.08,9.57) v2(164.53,211.01) v2(164.58,212.24) v2(165.1,0.89) v2(166.55,0.89) v2(167.03,212.21) v2(166.98,210.94) v2(166.98,13.47) v2(168.28,0.89) v2(168.78,9.67) v2(169.83,212.31) v2(169.93,211.26) v2(169.85,0.89) v2(170,209.81) v2(170.88,13.87) v2(171.58,0.89) v2(172.08,223.77) v2(172.48,12.37) v2(172.58,9.37) v2(172.9,0.89) v2(173.88,224.17) v2(174.65,0.96) v2(174.98,17.47) v2(175.18,224.37) v2(175.98,5.97) v2(176.05,0.84) v2(176.18,15.67) v2(176.28,10.97) v2(176.88,224.47) v2(177.23,0.89) v2(178.08,12.77) v2(178.18,224.47) v2(178.58,0.96) v2(179.58,224.47) v2(179.98,9.47) v2(180.28,0.89) v2(181.28,224.47) v2(181.48,5.67) v2(181.48,0.87) v2(181.65,9.24) v2(182.78,1.07) v2(182.98,224.57) v2(184.23,1.51) v2(184.48,224.57) v2(185.83,1.94) v2(186.15,224.31) v2(186.28,8.76) v2(187.58,224.24) v2(187.68,5.67) v2(187.83,2.19) v2(188.75,224.44) v2(189.58,2.16) v2(190.75,224.44) v2(191.25,8.79) v2(191.28,1.97) v2(192.7,224.46) v2(192.68,1.79) v2(192.78,5.67) v2(194.03,224.31) v2(194.33,1.44) v2(195.38,224.41) v2(195.6,8.74) v2(196.45,1.01) v2(196.85,224.34) v2(197.58,5.57) v2(198.18,224.34) v2(198.28,0.89) v2(199.05,224.26) v2(199.85,8.81) v2(200.6,0.89) v2(202.28,5.67) v2(203.03,0.89) v2(205.13,0.91) v2(205.65,8.79) v2(206.83,224.49) v2(207.55,0.96) v2(207.93,224.34) v2(208.48,5.77) v2(209,224.44) v2(210.28,224.39) v2(210.43,0.94) v2(210.48,9.27) v2(211.58,224.41) v2(212.08,17.77) v2(212.58,14.47) v2(212.7,224.44) v2(213.1,0.91) v2(213.38,11.87) v2(213.68,224.41) v2(213.78,9.37) v2(214.18,5.77) v2(215.03,224.51) v2(215.58,0.96) v2(216.33,224.44) v2(217.28,224.49) v2(217.38,11.47) v2(217.48,0.96) v2(217.68,15.07) v2(217.98,5.77) v2(218.18,17.57) v2(218.3,224.51) v2(219.68,224.44) v2(220.28,0.87) v2(221.18,224.46) v2(221.58,8.57) v2(221.58,5.77) v2(222.78,0.96) v2(222.88,224.56) v2(223.88,212.57) v2(223.88,208.17) v2(224.23,224.54) v2(224.53,0.96) v2(224.78,211.97) v2(225.55,224.54) v2(226.48,5.87) v2(226.53,1.04) v2(226.58,8.67) v2(226.85,224.56) v2(227.7,224.49) v2(228.08,1.04) v2(228.65,224.46) v2(229.48,0.89) v2(229.68,224.49) v2(230.83,224.49) v2(230.88,0.89) v2(231.88,224.49) v2(232.05,0.86) v2(233.58,224.44) v2(235,224.14) v2(236.1,223.84) v2(237.08,223.49) v2(238.28,223.14) v2(239.53,222.76) v2(240.73,222.21) v2(241.48,3.47) v2(241.7,221.81) v2(242.98,11.57) v2(243.08,3.97) v2(243.48,221.57) v2(244.63,4.66) v2(246.58,11.87) v2(246.78,5.27) v2(248.75,6.21) v2(250.78,6.77) v2(251.18,11.87) v2(252.78,7.57) v2(254.08,8.27) v2(256.08,8.47) v2(256.98,8.87) v2(258.18,9.47) v2(259.08,15.67) v2(259.18,17.37) v2(259.18,13.87) v2(259.28,12.27) v2(259.38,10.27) v2(259.48,10.87) v3(123.85,104.62) v3(144.11,104.79) v3(185.8,105.51) v3(266.63,105.54) v3(285.72,104.76) v3(305.84,104.78)
